# Allegro board reServer industrial J401 Carrier Board v11.brd (continued)
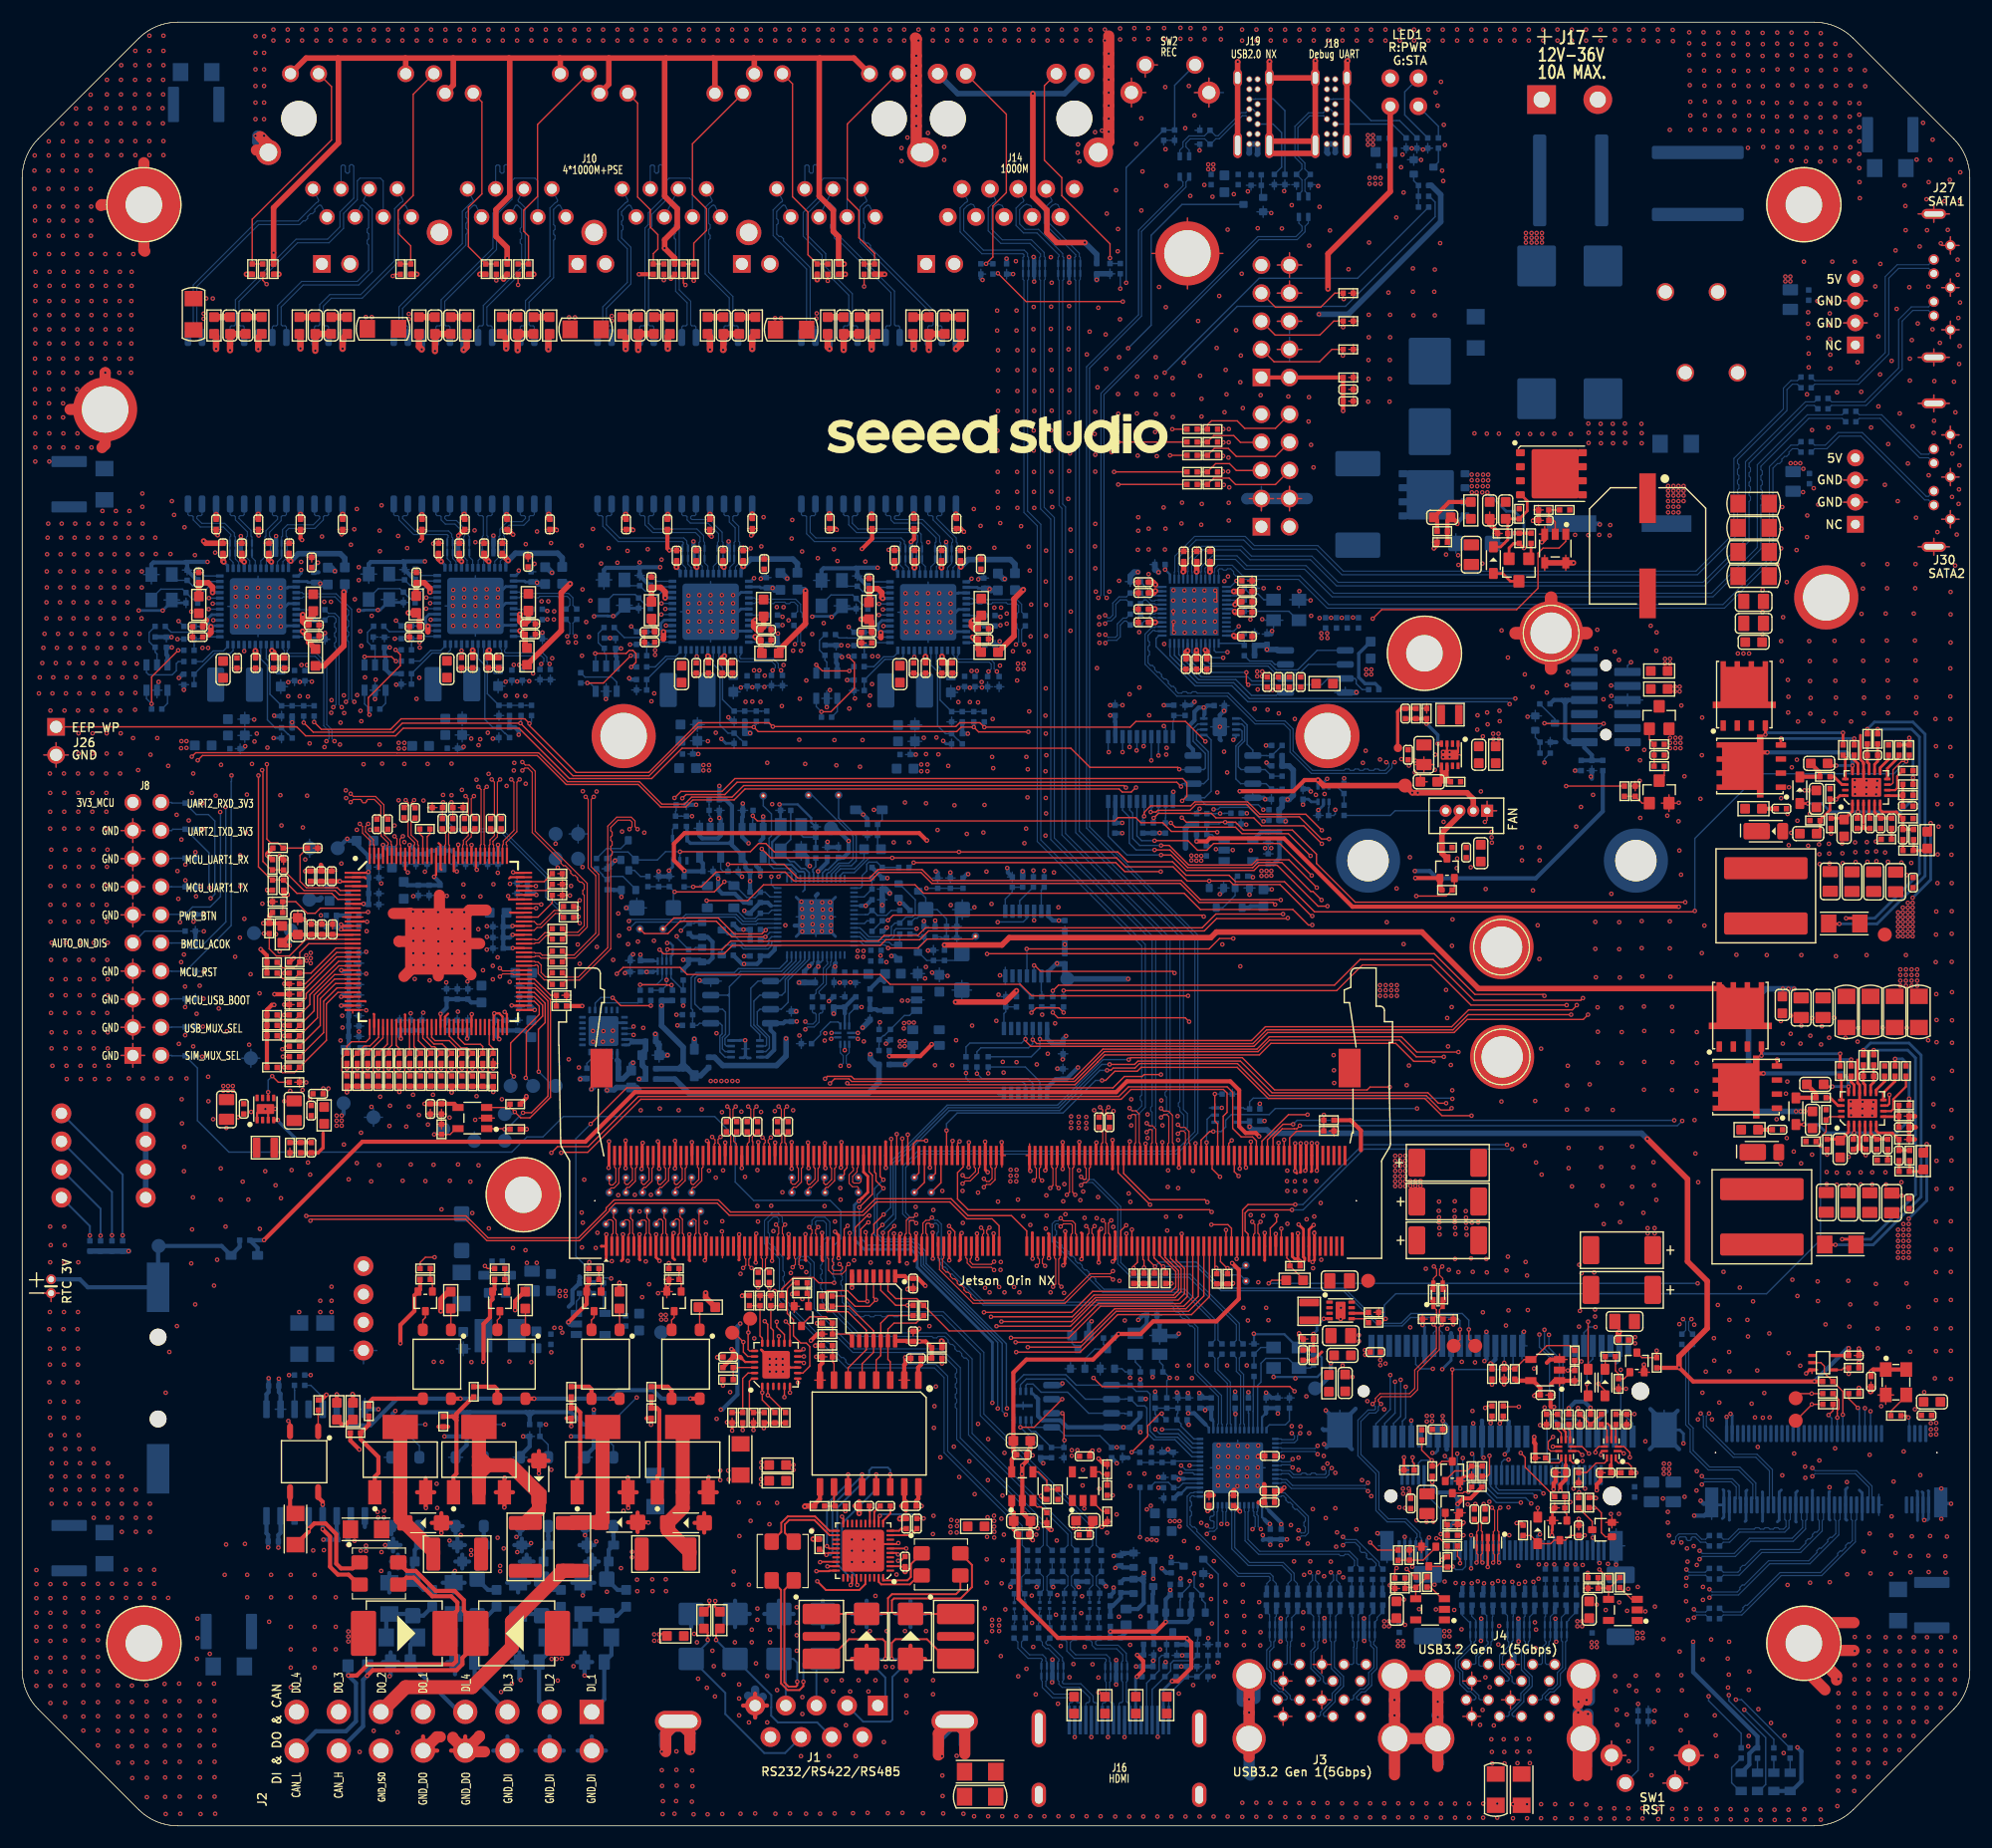
[diagram p0: board, top side]
## Routing (per net, layer and track width the routed paths; a pad name or vN(x,y) marks a point on that pad's centre or on a via; arc(x,y) is an arc through that point) (continued)
SATA_RXN1: length 72.2
  BOTTOM w0.102: C572.1 164.47,127.19 161.45,127.19 157.12,122.86 157.12,122.56 157.24,122.43 157.24,122.13 157.12,122 157.12,121.64 157.24,121.52 157.24,121.21 157.12,121.08 157.12,120.78 157.24,120.65 157.24,120.35 157.12,120.22 157.12,119.92 157.24,119.79 157.24,119.48 157.12,119.36 157.12,115.39 152.79,111.06 118.38,111.06 115.88,113.56 110.53,113.56 109.64,114.45 107.68,114.45 106.88,113.65 106.88,113.34 106.92,113.31 U76.33
SATA_RXP0: length 73
  BOTTOM w0.102: U76.26 104.12,113.31 104.16,113.34 104.16,114.74 105.95,116.53 110.52,116.53 111.35,115.7 117.08,115.7 119.39,113.39 151.25,113.39 154.68,116.82 154.68,123.57 159.15,128.04 159.15,129.93 159.83,130.6 160.42,130.6 C564.1
SATA_RXP1: length 72.3
  BOTTOM w0.102: U76.32 106.52,113.31 106.56,113.34 106.56,113.79 107.55,114.77 109.77,114.77 110.66,113.88 116.02,113.88 118.51,111.39 152.65,111.39 156.79,115.53 156.79,123 161.31,127.52 164.47,127.52 C573.1
SATA_TXN0: length 71.5
  BOTTOM w0.102: C562.1 161.95,128.69 161.14,128.69 155.72,123.27 155.72,116.22 151.89,112.38 118.91,112.38 116.54,114.75 111.08,114.75 110.2,115.64 106.57,115.64 105.36,114.42 105.36,113.34 105.32,113.31 U76.29
SATA_TXN1: length 66.5
  BOTTOM w0.102: U76.35 107.72,113.31 107.76,113.34 107.76,113.62 108.06,113.92 109.34,113.92 110.3,112.97 115.47,112.97 118.06,110.37 153.69,110.37 157.88,114.56 157.88,122.83 159.83,124.78 160.43,124.78 C571.1
SATA_TXP0: length 71.4
  BOTTOM w0.102: C561.1 161.95,128.36 161.27,128.36 156.05,123.14 156.05,122.83 156.18,122.71 156.18,122.4 156.05,122.28 156.05,121.97 156.18,121.84 156.18,121.54 156.05,121.41 156.05,121.11 156.18,120.98 156.18,120.68 156.05,120.55 156.05,120.24 156.18,120.12 156.18,119.81 156.05,119.68 156.05,116.08 152.02,112.05 118.78,112.05 116.41,114.42 110.95,114.42 110.06,115.31 106.7,115.31 105.68,114.29 105.68,113.34 105.72,113.31 U76.30
SATA_TXP1: length 66.4
  BOTTOM w0.102: C570.1 160.43,124.45 159.96,124.45 159.66,124.15 159.66,123.97 159.44,123.75 159.26,123.75 159.01,123.5 159.01,123.32 158.79,123.1 158.61,123.1 158.21,122.7 158.21,114.43 153.82,110.05 117.93,110.05 115.33,112.64 110.16,112.64 109.87,112.94 109.69,112.94 109.47,113.15 109.47,113.33 109.21,113.6 108.91,113.6 108.8,113.48 108.55,113.48 108.44,113.6 108.19,113.6 108.08,113.49 108.08,113.34 108.12,113.31 U76.36
SCAN_EN: length 4.5
  TOP w0.127: U63.72 46.29,76.53 47.77,75.05 R476.1 R475.2
SENSE+_DC1: length 2.6
  TOP w0.254: U31.13 166.89,95.97 166.74,96.12 C141.1 R198.2
SENSE+_DC2: length 2.6
  TOP w0.254: R158.2 C118.1 166.38,67.11 166.54,66.96 U25.13
SENSE-_DC1: length 2.6
  TOP w0.254: R199.2 C141.2 167.66,96.2 167.39,95.93 U31.12
SENSE-_DC2: length 2.6
  TOP w0.254: R166.2 C118.2 167.31,67.19 167.04,66.92 U25.12
SHUTDOWN_REQ*: length 142.9
  TOP w0.127: U49.1 139.49,116.08 138.88,115.47 137.43,115.47 136.97,115.01 136.97,111.84 135.04,109.91 122.85,109.91 v1(122.04,109.1) ; J9.233 112.78,54.01 113.35,54.58 v1(113.35,55.15) ; v1(113.23,83.26) 113.05,83.44 106.36,83.44 104.64,85.17 82.21,85.17 81.22,86.16 77.44,86.16 76.68,85.4 69.74,85.4 68.94,86.19 62.71,86.19 61.38,84.86 v1(60.64,84.86)
  LAY3 w0.127: v1(113.35,55.15) 113.35,60.68 112.78,61.25 112.78,82.82 v1(113.23,83.26) 113.23,84.1 113.48,84.36 113.48,88.34 111.22,90.6 111.22,97.08 122.04,107.9 v1(122.04,109.1)
  BOTTOM w0.127: D29.2 61.23,84.96 61.13,84.86 v1(60.64,84.86) R120.2
SIM_CLK: length 123.1
  TOP w0.127: v1(119.37,135.43) D93.2 118.52,135.98 117.26,134.72 113.23,134.72 J15.5 ; v1(145.69,37.21) 145.67,37.19 C227.1 R336.2
  LAY3 w0.127: v1(145.69,37.21) 146.96,37.21 148.76,39.02 148.76,46.95 138.04,57.67 138.04,100.03 132.76,105.31 132.76,108.39 123.66,117.48 123.66,125.07 120.24,128.5 120.24,134.56 v1(119.37,135.43)
SIM_DETECT: length 141
  TOP w0.127: R331.2 v1(142.05,28.75) 142.24,28.75 142.7,28.29 142.7,26.49 143.06,26.12 Q38.1
  LAY3 w0.127: J15.9 113.2,139.83 119.8,139.83 120.67,138.97 120.67,128.68 124.1,125.25 124.1,117.66 133.19,108.57 133.19,105.49 138.42,100.26 138.42,57.91 149.19,47.15 149.19,38.71 147.18,36.71 147.18,32.55 146.06,31.43 142.8,31.43 141.65,30.28 141.65,29.15 v1(142.05,28.75)
SIM_DETECT_1V8: length 2.1
  TOP w0.127: R329.2 140.64,30.11 v1(140.68,30.15)
  BOTTOM w0.127: J6.66 v1(140.68,30.15)
SIM_DIO: length 124.1
  TOP w0.127: R333.2 142.4,36.9 142.35,36.9 R332.2 141.1,36.9 141.05,36.9 C223.1 140.59,37.35 v1(140.59,37.76) ; J15.7 113.25,137.24 117.34,137.24 118.61,138.51 D92.2 119.37,138.03 v1(119.42,137.98)
  LAY3 w0.127: v1(119.42,137.98) 118.94,137.49 118.94,134.62 119.88,133.68 119.88,128.35 123.31,124.92 123.31,117.33 130.77,109.87 130.77,95.2 127.95,92.38 127.95,63.84 140.06,51.72 140.06,39.1 140.59,38.57 v1(140.59,37.76)
SIM_MUX_SEL: length 179.2
  TOP w0.127: v1(145.86,31.91) R339.1 145.4,32.5 145.11,32.78 144.25,32.78 144.01,33.03 U46.10 ; v1(96.81,40.48) 97.59,39.7 114.55,39.7 v1(114.98,39.28) ; R389.2 68.65,48.51 69.69,49.56 71.5,49.56 71.99,49.08 v1(73.37,49.08) ; v1(141,32.96) 140.61,32.96 140.43,32.79 140.13,32.79 139.88,33.03 U45.10
  LAY3 w0.127: v1(114.98,39.28) 115.01,39.24 115.01,38.78 121.13,32.66 131.98,32.66 132.55,32.08 135.32,32.08 137.91,34.67 139.22,34.67 140.92,32.96 v1(141,32.96) ; v1(73.37,49.08) 73.37,49.17 73.7,49.49 84.65,49.49 85,49.15 95.14,49.15 97.38,46.92 97.38,41.04 v1(96.81,40.48)
  LAY4 w0.127: v1(145.86,31.91) 144.81,32.96 v1(141,32.96)
  BOTTOM w0.127: J8.2 13.5,69.62 13.53,69.59 D37.2 15.84,68.48 15.84,63.73 18.69,60.89 44.24,60.89 45.61,62.26 47.06,62.26 48.9,64.1 62.58,64.1 64.44,62.24 64.44,58.18 66.1,56.52 73.02,56.52 73.97,55.57 73.97,53.06 73.3,52.38 73.3,49.62 73.41,49.51 73.41,49.11 v1(73.37,49.08)
SIM_RST: length 117.2
  TOP w0.127: v1(119.35,132.87) 119.35,133.41 D91.2 118.36,133.43 117.24,132.31 113.12,132.31 112.01,133.43 J15.3 ; v1(137.57,37.81) 137.57,37.37 C219.1 R324.2
  LAY3 w0.127: v1(137.57,37.81) 137.57,41.24 138.5,42.17 138.5,51.14 126.62,63.03 126.62,92.44 129.79,95.61 129.79,109.09 122.06,116.82 122.06,124.08 118.56,127.59 118.56,132.08 v1(119.35,132.87)
SLEW: length 102.5
  TOP w0.178: U42.30 72.97,23.06 72.92,23.01 v1(71.77,23.01)
  LAY3 w0.178: v1(71.77,23.01) 67.17,23.01 63.39,26.8 54.3,26.8 52.93,28.17 37.2,28.17 36.14,27.1 32.2,27.1 30.7,28.6 16.1,28.6 8.7,35.99 8.7,52.99 v1(9.08,53.37)
  BOTTOM w0.178: R394.2 v1(9.08,53.37) 9.08,58.86 SW3.4
SLOT_IMP1: length 5.6
  TOP w0.127: R491.2 37.4,68.24 37.4,69.37 R492.1 37.28,70.4 37,70.4 36.21,71.19 U63.45
SLOT_IMP2: length 6.2
  TOP w0.127: R493.2 38.34,68.24 38.34,69.36 R494.1 37.96,70.66 37.21,70.66 36.61,71.26 U63.46
SLOT_IMP3: length 6.7
  TOP w0.127: R495.2 39.28,68.24 39.28,69.36 R496.1 38.6,70.96 37.3,70.96 37.01,71.26 U63.47
SLOTCLK: length 6.4
  TOP w0.127: R489.2 28.9,68.22 28.9,69.38 R490.1 29.34,70.44 29.76,70.86 31.08,70.86 31.41,71.19 U63.33
SPI0_CS0: length 34.8
  TOP w0.127: J9.95 76.28,53.58 v1(76.22,53.65) ; v1(91.2,73.48) 91.64,73.92 93.69,73.92 v1(94.11,73.5)
  LAY3 w0.127: v1(91.2,73.48) 90.71,73.48 85.87,68.64 85.87,67.95 85.46,67.54 81.09,67.54 76.12,62.56 76.12,55.7 75.81,55.4 75.81,54 76.17,53.65 v1(76.22,53.65)
  BOTTOM w0.127: R403.1 v1(94.11,73.5) ; v1(91.2,73.48) 91.2,74 R436.1
SPI0_CS0_LS: length 93.5
  TOP w0.127: v1(139.56,74.17) 130.92,74.17 127.3,77.79 121.1,77.79 118.79,75.48 v1(94.11,75.48)
  LAY3 w0.127: v1(139.56,103.08) 139.56,102.14 139.87,101.83 139.87,94.36 140,94.24 140,93.63 139.44,93.07 139.44,74.3 v1(139.56,74.17)
  LAY4 w0.127: v1(91.38,86.34) 91.38,86.34 92.17,85.55 92.17,75.64 92.8,75.01 93.64,75.01 v1(94.11,75.48)
  BOTTOM w0.127: J11.9 141.1,103.08 v1(139.56,103.08) ; R403.2 v1(94.11,75.48) ; v1(91.38,86.34) R439.2
SPI0_IRQ_GPIO07: length 27.1
  TOP w0.127: v1(93.13,73.51) 93.13,73.49 93.59,73.03 105.1,73.03 v1(105.45,72.67) ; J9.206 v1(106.03,61.68)
  LAY3 w0.127: v1(105.45,72.67) 104.77,71.99 104.77,65.8 106.03,64.55 v1(106.03,61.68)
  BOTTOM w0.127: R431.1 R200.1 v1(93.13,73.51)
SPI0_IRQ_LS: length 88.2
  TOP w0.127: v1(93.13,75.46) 93.64,75.97 118.58,75.97 120.9,78.29 127.5,78.29 131.18,74.6 140.83,74.6 v1(141.04,74.81)
  LAY3 w0.127: v1(141.04,74.81) 140.54,75.3 140.54,88.19 145.05,92.7 v1(145.05,97.31)
  LAY4 w0.127: v1(92.35,86.32) 92.55,86.12 92.55,76.08 93.13,75.49 v1(93.13,75.46)
  BOTTOM w0.127: v1(145.05,97.31) 145.05,97.92 J11.2 ; R200.2 v1(93.13,75.46) ; R202.2 v1(92.35,86.32)
SPI0_MISO: length 29.7
  TOP w0.127: J9.93 75.78,53.91 76.41,54.54 v1(76.47,54.54)
  LAY3 w0.127: v1(76.47,54.54) 76.15,54.85 76.15,55.39 76.42,55.65 76.42,62.49 81.12,67.19 85.49,67.19 v1(86.28,67.98)
  BOTTOM w0.127: R401.1 v1(86.28,67.98) 86.74,67.52 90.9,67.52 91.32,67.1 U57.3
SPI0_MISO_LS: length 90.5
  TOP w0.127: v1(91.32,71.05) 91.67,70.69 111.21,70.69 112.45,71.94 129.29,71.94 130.66,73.31 v1(139.97,73.31)
  LAY3 w0.127: v1(139.97,73.31) 140,73.33 140,74.48 139.79,74.68 139.79,92.84 140.83,93.88 140.83,103.15 v1(139.71,104.28)
  BOTTOM w0.127: J11.11 v1(139.71,104.28) ; R401.2 86.28,69.96 86.63,70.31 90.94,70.31 91.32,70.69 v1(91.32,71.05) U57.12
SPI0_MOSI: length 29.8
  TOP w0.127: J9.89 v1(74.78,53.57)
  LAY3 w0.127: v1(74.78,53.57) 75,53.79 75,61.85 81.17,68.02 v1(85.29,68.02)
  BOTTOM w0.127: R402.1 v1(85.29,68.02) 85.29,67.56 85.61,67.24 90.42,67.24 90.67,66.99 U57.4
SPI0_MOSI_LS: length 95.1
  TOP w0.127: v1(90.67,71.1) 90.67,70.94 91.16,70.45 111.31,70.45 112.55,71.69 129.39,71.69 130.58,72.88 141.06,72.88 v1(141.5,73.31)
  LAY3 w0.127: v1(145.38,105.16) 145.61,104.93 145.61,92.76 140.89,88.05 140.89,75.69 141.5,75.08 v1(141.5,73.31)
  BOTTOM w0.127: v1(145.38,105.16) 145.06,104.84 J11.12 ; U57.11 v1(90.67,71.1) 90.31,70.74 85.64,70.74 85.29,70.39 R402.2
SPI0_RST_3V3: length 133.2
  TOP w0.127: U51.7 70.08,40.08 v1(70.1,40.06) ; v1(87.19,78.79) 87.22,78.82 127.6,78.82 131.28,75.14 137.43,75.14 v1(137.56,75.01)
  LAY3 w0.127: v1(137.56,96.09) v1(137.56,75.01) ; v1(70.1,40.06) 70.1,41.78 70.01,41.86 70.01,42.35 69.49,42.88 65.04,42.88 64.13,43.79 64.13,50.74 67.13,53.74 67.13,54.53 68.66,56.06 69.41,56.06 70.15,56.8 70.15,62.01 73.41,65.27 73.41,67.04 73.93,67.57 75.46,67.57 77.9,70 84.8,70 86.63,71.83 86.63,78.23 v1(87.19,78.79)
  BOTTOM w0.127: v1(137.56,96.09) 137.56,96.41 R434.1
SPI0_RST_LS: length 10.5
  TOP w0.127: v1(142.91,99.61) 137.59,99.61 v1(137.56,99.64)
  BOTTOM w0.127: J11.3 142.5,99.2 v1(142.91,99.61) ; R438.2 138.51,100.02 Q32.3 v1(137.56,99.64)
SPI0_SCK: length 30.5
  TOP w0.127: J9.91 75.28,54.07 76.36,55.15 76.54,55.15 v1(76.55,55.15)
  LAY3 w0.127: v1(87.29,68) 86.05,66.75 81.02,66.75 76.7,62.44 76.7,55.35 76.55,55.2 v1(76.55,55.15)
  BOTTOM w0.127: v1(87.29,68) R400.1 90.65,68.57 91.97,67.26 U57.2
SPI0_SCK_LS: length 89.3
  TOP w0.127: v1(91.97,71.1) 91.97,71.1 92.09,70.97 111.09,70.97 112.34,72.21 129.18,72.21 130.7,73.74 140.07,73.74 140.48,74.15 v1(140.48,74.17)
  LAY3 w0.127: v1(140.48,74.17) 140.48,74.7 140.17,75.01 140.17,88.34 144.42,92.59 144.42,102.29 143.65,103.05 v1(143.58,103.05)
  BOTTOM w0.127: v1(143.58,103.05) 143.62,103.01 J11.10 ; R400.2 91.18,69.5 91.97,70.29 v1(91.97,71.1) U57.13
SPI1_CS0: length 54.1
  TOP w0.127: J9.110 v1(80.03,62.46)
  LAY3 w0.127: v1(100.7,97.18) 99.79,96.27 97.65,96.27 96.51,95.13 96.51,68.2 92.81,64.5 81.87,64.5 80.03,62.67 v1(80.03,62.46)
  BOTTOM w0.127: U18.5 100.74,97.22 v1(100.7,97.18)
SPI1_CS0_3V3: length 75.1
  TOP w0.127: v1(102.33,89.03) 105.35,89.03 106.21,88.17 107.05,88.17 107.66,88.78 113.63,88.78 v1(116.53,85.88)
  LAY3 w0.127: v1(116.53,85.88) 116.53,83.01 117.47,82.07 117.47,73.49 120.92,70.04 120.92,58.55 123.63,55.85 v1(123.63,40.74)
  BOTTOM w0.127: v1(102.33,89.03) 101.16,89.03 100.74,89.46 U18.16 ; v1(123.63,40.74) 123.63,37.63 122.32,36.33 J5.51
SPI1_MISO: length 53.5
  TOP w0.127: J9.108 v1(79.53,62.11)
  LAY3 w0.127: v1(99.44,97.03) 98.98,96.57 97.27,96.57 96.18,95.48 96.18,68.37 92.67,64.86 81.72,64.86 79.53,62.68 v1(79.53,62.11)
  BOTTOM w0.127: U18.3 v1(99.44,97.03)
SPI1_MISO_3V3: length 75.6
  TOP w0.127: v1(102.33,88.19) 103.73,88.19 105.33,86.59 111.2,86.59 111.67,87.06 113.82,87.06 116.45,84.43 116.65,84.43 v1(117.42,83.67)
  LAY3 w0.127: v1(124.57,40.31) 124.57,56.09 121.86,58.79 121.86,70.43 118.41,73.88 118.41,82.1 117.49,83.01 117.49,83.59 v1(117.42,83.67)
  BOTTOM w0.127: U18.18 99.44,91.79 100.05,91.18 100.05,88.8 100.65,88.19 v1(102.33,88.19) ; J5.47 123.92,36.37 124.57,37.01 v1(124.57,40.31)
SPI1_MOSI: length 55.3
  TOP w0.127: J9.104 v1(78.53,62.08)
  LAY3 w0.127: v1(78.53,62.08) 78.53,62.62 81.44,65.53 92.59,65.53 95.01,67.95 95.01,95.76 96.74,97.49 v1(100.07,97.49)
  BOTTOM w0.127: v1(100.07,97.49) 100.09,97.51 U18.4
SPI1_MOSI_3V3: length 75.3
  TOP w0.127: v1(102.91,88.6) 103.65,88.6 105.41,86.83 111.1,86.83 111.57,87.3 114.47,87.3 v1(116.98,84.79)
  LAY3 w0.127: v1(116.98,84.79) 116.93,84.74 116.93,83.06 117.9,82.1 117.9,73.67 121.35,70.22 121.35,58.73 124.06,56.03 v1(124.06,40.13)
  BOTTOM w0.127: v1(124.06,40.13) 124.06,37.3 123.12,36.37 J5.49 ; U18.17 100.09,91.79 100.35,91.52 100.35,89.23 100.99,88.6 v1(102.91,88.6)
SPI1_SCK: length 53
  TOP w0.127: v1(79.03,62.51) J9.106
  LAY3 w0.127: v1(79.03,62.51) 79.03,62.68 81.57,65.22 92.66,65.22 95.82,68.38 95.82,95.88 96.97,97.03 v1(98.19,97.03)
  BOTTOM w0.127: v1(98.19,97.03) 98.14,97.08 U18.1
SPI1_SCK_3V3: length 76.9
  TOP w0.127: v1(102.91,87.73) 103.8,87.73 105.2,86.34 111.31,86.34 111.78,86.81 113.42,86.81 117.11,83.11 v1(117.95,83.11)
  LAY3 w0.127: v1(117.95,83.11) 118.86,82.2 118.86,74.07 122.32,70.62 122.32,58.85 125.02,56.15 v1(125.02,39.68)
  BOTTOM w0.127: v1(125.02,39.68) 125.02,36.87 124.72,36.57 J5.45 ; U18.20 98.14,89.44 99.84,87.73 v1(102.91,87.73)
SS_DC1: length 1.4
  TOP w0.254: U31.4 166.89,91.14 C127.1
SS_DC2: length 1.4
  TOP w0.254: U25.4 166.54,62.13 C116.1
SUSCLK_32KHZ: length 4.2
  TOP w0.127: J9.210 v1(107.03,61.76)
  BOTTOM w0.127: U33.2 107.46,64.24 107.08,63.86 107.08,62.54 107.03,62.49 v1(107.03,61.76)
SW_DC1: length 14.4
  TOP w0.254: C142.2 163.35,95.81 v1(163.92,95.81) ; U31.16 v1(165.39,95.82)
  TOP w0.381: Q43.5 156.46,97.01 v1(157.7,97.01)
  BOTTOM w0.254: v1(163.92,95.81) 163.93,95.82 v1(165.39,95.82)
  BOTTOM w0.381: v1(157.7,97.01) 164.84,97.01 165.39,96.45 v1(165.39,95.82)
SW_DC2: length 14.4
  TOP w0.254: v1(163.57,66.8) 163,66.8 C95.2 ; U25.16 v1(165.04,66.81)
  TOP w0.381: Q12.5 156.11,68 v1(157.34,68)
  BOTTOM w0.254: v1(165.04,66.81) 163.57,66.81 v1(163.57,66.8)
  BOTTOM w0.381: v1(157.34,68) 164.48,68 165.04,67.44 v1(165.04,66.81)
SWCLK: length 11
  BOTTOM w0.127: TP2.1 71.38,93.14 75.09,89.43 75.09,87.37 74.71,86.99 73.79,86.99 72.95,86.16 72.85,86.16 72.72,86.02 U23.24
SWDIO: length 9.7
  BOTTOM w0.127: U23.25 73.12,86 73.89,86.77 74.94,86.77 75.37,87.2 75.37,89.48 73.77,91.08 TP1.1
SYNCO_DC1: length 1.8
  TOP w0.254: U31.11 167.89,95.61 168.65,96.37 R197.1
SYNCO_DC2: length 1.8
  TOP w0.254: R171.1 168.29,67.26 167.54,66.51 U25.11
SYS_RESET: length 3.7
  TOP w0.127: FB5.1 115.75,49.41 D45.2 114.56,51.04 114.28,51.32 J9.239
SYS_RST*: length 184.3
  TOP w0.127: v1(66.02,91.27) 66.02,91.23 66.43,90.82 98.73,90.82 99.03,91.11 100.63,91.11 101.08,90.66 103.07,90.66 103.85,89.87 107.92,89.87 v1(107.99,89.79) ; FB5.2 112.92,49.31 v1(112.64,49.02)
  LAY3 w0.127: v1(146.02,11.02) 152.44,11.02 153.38,11.97 153.38,31.24 150.87,33.76 150.87,41.53 151.59,42.26 151.59,48.83 v1(151.4,49.02) ; v1(112.64,49.02) 112.64,49.43 108.34,53.73 108.34,56.91 107.39,57.85 107.39,60.36 108.44,61.41 108.44,62.93 109.05,63.54 109.05,66.12 108.63,66.55 108.63,76.81 106.29,79.15 106.29,85.63 107.43,86.77 107.43,89.23 v1(107.99,89.79)
  BOTTOM w0.127: SW1.1 146.02,5.01 D1.2 C1.1 v1(146.02,11.02) ; v1(112.64,49.02) v1(151.4,49.02) ; R92.1 66.05,91.3 v1(66.02,91.27) 66.02,90.88 66.01,90.87 U20.2
TCK: length 7.6
  TOP w0.127: U63.89 46.84,83.33 v1(46.91,83.26)
  LAY3 w0.127: v1(46.91,83.26) 50.28,86.64 v1(50.64,86.64)
  BOTTOM w0.127: v1(50.64,86.64) 50.24,87.04 TP64.1
TDI: length 6.5
  TOP w0.127: U63.93 v1(46.42,84.93)
  LAY3 w0.127: v1(46.42,84.93) 47.92,86.42 47.92,88.47 v1(48.21,88.75)
  BOTTOM w0.127: TP66.1 v1(48.21,88.75)
TDO: length 6.5
  TOP w0.127: U63.88 v1(46.45,82.93)
  LAY3 w0.127: v1(48.4,86.59) 48.4,85.32 46.45,83.37 v1(46.45,82.93)
  BOTTOM w0.127: v1(48.4,86.59) 48.21,86.79 TP65.1
TEST1: length 7.9
  TOP w0.127: U63.9 26.94,82.93 26.48,82.47 25.77,82.47 24.72,83.52 R488.1 R487.2
TEST3: length 8.4
  TOP w0.127: U63.17 25.89,79.73 25.08,78.92 R464.1 24.58,77.54 23.54,77.54 R463.2
TEST4: length 9.6
  TOP w0.127: R467.2 23.49,72.83 24.52,72.83 24.62,72.83 R468.1 26,74.21 26,75.1 28.62,77.73 U63.22
TEST5: length 10.5
  TOP w0.127: U63.25 28.24,76.53 26.68,74.98 26.68,73.02 R472.1 24.6,70.94 24.42,70.94 24.32,70.94 23.52,70.94 R471.2
TEST6: length 6
  TOP w0.127: R477.2 40.22,68.23 40.22,69.36 R478.1 40.2,70.3 39.66,70.3 38.61,71.36 U63.51
TG1: length 2.2
  TOP w0.254: U31.17 164.74,96.55 R193.1
TG2: length 2.2
  TOP w0.254: U25.17 164.39,67.62 R146.1
TG_DC1: length 9
  TOP w0.254: R193.2 164.54,98.78 v1(164.53,98.78) ; Q45.4 v1(157.52,98.61)
  BOTTOM w0.254: v1(164.53,98.78) 157.7,98.78 v1(157.52,98.61)
TG_DC2: length 9.1
  TOP w0.254: v1(164.28,69.78) 164.28,68.69 R146.2 ; Q16.4 v1(157.17,69.6)
  BOTTOM w0.254: v1(157.17,69.6) 157.34,69.78 v1(164.28,69.78)
TMS: length 2.8
  TOP w0.127: U63.92 47.34,84.53 R501.1
TRST_L: length 2.9
  TOP w0.127: U63.94 47.17,85.33 R502.1
TXRXA_N: length 8.9
  BOTTOM w0.102: U38.3 19.57,114.19 19.27,114.49 U32.4 U32.7 19.27,116.47 19.18,116.56 19.18,116.84 18.31,117.71 16.23,117.71 15.79,118.15 15.79,118.3 15.89,118.4 16.16,118.4 16.26,118.5 T1.11
TXRXA_N_31551790: length 9.9
  BOTTOM w0.102: T2.11 34.85,118.5 34.75,118.4 34.48,118.4 34.38,118.3 34.38,118.15 35.51,117.02 38.53,117.02 38.82,116.73 38.82,116.48 38.91,116.39 U66.7 U66.4 38.91,114.53 39.21,114.24 U30.3
TXRXA_N_31557157: length 13.2
  BOTTOM w0.102: T3.11 53.27,118.5 53.16,118.4 52.9,118.4 52.79,118.3 52.79,117.58 53.99,116.39 59.79,116.39 60.06,116.11 60.06,115.85 60.16,115.75 U56.7 U56.4 60.16,114.01 60.46,113.71 U48.3
TXRXA_N_31559787: length 14.9
  BOTTOM w0.102: T4.11 71.68,118.5 71.58,118.4 71.31,118.4 71.21,118.3 71.21,116.9 71.72,116.39 79.43,116.39 79.72,116.09 79.72,115.85 79.82,115.75 U73.7 U73.4 79.82,113.96 80.12,113.67 U71.3
TXRXA_P: length 8.9
  BOTTOM w0.102: U38.2 19.07,114.18 18.77,114.48 U32.5 U32.6 18.77,116.47 18.86,116.56 18.86,116.7 18.18,117.38 16.1,117.38 15.46,118.02 15.46,118.3 15.36,118.4 15.09,118.4 14.99,118.5 T1.12
TXRXA_P_31551789: length 9.9
  BOTTOM w0.102: U30.2 38.71,114.22 38.41,114.52 U66.5 U66.6 38.41,116.36 38.5,116.45 38.5,116.59 38.4,116.7 35.38,116.7 34.05,118.02 34.05,118.3 33.95,118.4 33.68,118.4 33.58,118.5 T2.12
TXRXA_P_31557156: length 13.2
  BOTTOM w0.102: T3.12 52,118.5 52.1,118.4 52.37,118.4 52.47,118.3 52.47,117.45 53.86,116.06 59.66,116.06 59.74,115.98 59.74,115.84 59.67,115.77 U56.6 U56.5 59.67,113.99 59.96,113.7 U48.2
TXRXA_P_31559786: length 14.9
  BOTTOM w0.102: U71.2 79.62,113.65 79.32,113.95 U73.5 U73.6 79.32,115.78 79.4,115.85 79.4,115.96 79.3,116.06 71.59,116.06 70.88,116.76 70.88,118.3 70.78,118.4 70.51,118.4 70.41,118.5 T4.12
TXRXB_N: length 6.8
  BOTTOM w0.102: U38.6 21.07,114.33 20.77,114.63 U32.1 U32.10 20.77,116.47 20.68,116.56 20.68,117.07 19.6,118.15 19.6,118.3 19.7,118.4 19.97,118.4 20.07,118.5 T1.8
TXRXB_N_31551792: length 7.7
  BOTTOM w0.102: T2.8 38.66,118.5 38.56,118.4 38.29,118.4 38.19,118.3 38.19,118.15 38.38,117.96 39.25,117.96 40.32,116.88 40.32,116.6 40.41,116.51 U66.10 U66.1 40.41,114.67 40.71,114.37 U30.6
TXRXB_N_31557159: length 11.1
  BOTTOM w0.102: T3.8 57.08,118.5 56.97,118.4 56.71,118.4 56.6,118.3 56.6,117.71 57.12,117.2 60.98,117.2 61.58,116.6 61.58,116.07 61.67,115.99 U56.10 U56.1 61.67,114.15 61.96,113.85 U48.6
TXRXB_N_31559789: length 12.5
  BOTTOM w0.102: T4.8 75.49,118.5 75.39,118.4 75.12,118.4 75.02,118.3 75.02,117.71 75.53,117.2 80.77,117.2 81.24,116.73 81.24,116.03 81.32,115.94 U73.10 U73.1 81.32,114.1 81.62,113.8 U71.6
TXRXB_P: length 6.8
  BOTTOM w0.102: T1.9 18.8,118.5 18.9,118.4 19.17,118.4 19.27,118.3 19.27,118.02 20.36,116.93 20.36,116.56 20.27,116.47 U32.9 U32.2 20.27,114.62 20.57,114.32 U38.5
TXRXB_P_31551791: length 7.7
  BOTTOM w0.102: U30.5 40.21,114.37 39.91,114.66 U66.2 U66.9 39.91,116.51 40,116.6 40,116.75 39.11,117.64 38.25,117.64 37.86,118.02 37.86,118.3 37.76,118.4 37.49,118.4 37.39,118.5 T2.9
TXRXB_P_31557158: length 11.1
  BOTTOM w0.102: U48.5 61.46,113.84 61.17,114.14 U56.2 U56.9 61.17,115.99 61.25,116.07 61.25,116.47 60.85,116.87 56.98,116.87 56.28,117.58 56.28,118.3 56.18,118.4 55.91,118.4 55.81,118.5 T3.9
TXRXB_P_31559788: length 12.5
  BOTTOM w0.102: U71.5 81.12,113.8 80.82,114.09 U73.2 U73.9 80.82,115.94 80.91,116.03 80.91,116.59 80.63,116.87 75.4,116.87 74.69,117.58 74.69,118.3 74.59,118.4 74.32,118.4 74.22,118.5 T4.9
TXRXC_N: length 6.8
  BOTTOM w0.102: T1.5 23.88,118.5 23.78,118.4 23.51,118.4 23.41,118.3 23.41,117.95 22.36,116.9 22.36,116.56 22.44,116.47 U59.7 U59.4 22.44,114.71 22.07,114.33 U38.8
TXRXC_N_31551794: length 6.3
  BOTTOM w0.102: T2.5 42.47,118.5 42.37,118.4 42.1,118.4 42,118.3 42,116.6 42.09,116.51 U67.7 U67.4 42.09,114.75 41.71,114.37 U30.8
TXRXC_N_31557161: length 8.9
  BOTTOM w0.102: T3.5 60.89,118.5 60.78,118.4 60.52,118.4 60.41,118.3 60.41,118.15 60.52,118.05 62.11,118.05 63.25,116.91 63.25,116.07 63.34,115.99 U70.7 U70.4 63.34,114.22 62.96,113.85 U48.8
TXRXC_N_31559791: length 10
  BOTTOM w0.102: T4.5 79.3,118.5 79.2,118.4 78.93,118.4 78.83,118.3 78.83,118.15 78.93,118.05 81.38,118.05 82.91,116.53 82.91,116.03 83,115.94 U74.7 U74.4 83,114.18 82.62,113.8 U71.8
TXRXC_P: length 6.8
  BOTTOM w0.102: T1.6 22.61,118.5 22.71,118.4 22.98,118.4 23.08,118.3 23.08,118.09 22.03,117.04 22.03,116.56 21.94,116.47 U59.6 U59.5 21.94,114.69 21.57,114.31 U38.7
TXRXC_P_31551793: length 6.3
  BOTTOM w0.102: U30.7 41.21,114.35 41.59,114.73 U67.5 U67.6 41.59,116.51 41.67,116.6 41.67,118.3 41.57,118.4 41.3,118.4 41.2,118.5 T2.6
TXRXC_P_31557160: length 8.9
  BOTTOM w0.102: U48.7 62.46,113.83 62.84,114.21 U70.5 U70.6 62.84,115.99 62.93,116.07 62.93,116.77 61.97,117.73 60.38,117.73 60.09,118.02 60.09,118.3 59.99,118.4 59.72,118.4 59.62,118.5 T3.6
TXRXC_P_31559790: length 10
  BOTTOM w0.102: U71.7 82.12,113.78 82.5,114.16 U74.5 U74.6 82.5,115.94 82.58,116.03 82.58,116.39 81.25,117.73 78.8,117.73 78.5,118.02 78.5,118.3 78.4,118.4 78.13,118.4 78.03,118.5 T4.6
TXRXD_N: length 9.1
  BOTTOM w0.102: U38.11 23.57,114.25 23.94,114.63 U59.1 U59.10 23.94,116.47 23.86,116.56 23.86,117.01 24.1,117.25 26.45,117.25 27.22,118.02 27.22,118.3 27.32,118.4 27.59,118.4 27.69,118.5 T1.2
TXRXD_N_31551796: length 8
  BOTTOM w0.102: U30.11 43.21,114.3 43.59,114.67 U67.1 U67.10 43.59,116.51 43.5,116.6 43.5,117.04 43.99,117.53 45.32,117.53 45.81,118.02 45.81,118.3 45.91,118.4 46.18,118.4 46.28,118.5 T2.2
TXRXD_N_31557163: length 7
  BOTTOM w0.102: U48.11 64.46,113.77 64.84,114.15 U70.1 U70.10 64.84,115.99 64.75,116.07 64.75,117.44 64.22,117.96 64.22,118.3 64.33,118.4 64.59,118.4 64.7,118.5 T3.2
TXRXD_N_31559793: length 7.6
  BOTTOM w0.102: T4.2 83.11,118.5 83.01,118.4 82.74,118.4 82.64,118.3 82.64,118.15 84.41,116.38 84.41,116.03 84.5,115.94 U74.10 U74.1 84.5,114.1 84.12,113.73 U71.11
TXRXD_P: length 9.1
  BOTTOM w0.102: T1.3 26.42,118.5 26.52,118.4 26.79,118.4 26.89,118.3 26.89,118.15 26.32,117.58 23.97,117.58 23.53,117.14 23.53,116.56 23.44,116.47 U59.9 U59.2 23.44,114.61 23.07,114.24 U38.10
TXRXD_P_31551795: length 8
  BOTTOM w0.102: U30.10 42.71,114.28 43.09,114.66 U67.2 U67.9 43.09,116.51 43.17,116.6 43.17,117.18 43.85,117.86 45.19,117.86 45.48,118.15 45.48,118.3 45.38,118.4 45.11,118.4 45.01,118.5 T2.3
TXRXD_P_31557162: length 7
  BOTTOM w0.102: T3.3 63.43,118.5 63.53,118.4 63.8,118.4 63.9,118.3 63.9,117.83 64.43,117.3 64.43,116.07 64.34,115.99 U70.9 U70.2 64.34,114.13 63.96,113.75 U48.10
TXRXD_P_31559792: length 7.6
  BOTTOM w0.102: T4.3 81.84,118.5 81.94,118.4 82.21,118.4 82.31,118.3 82.31,118.02 84.08,116.25 84.08,116.03 84,115.94 U74.9 U74.2 84,114.09 83.62,113.71 U71.10
TYPE C_UART_5V: length 37.4
  LAY4 w0.508: 117.52,153.29 117.91,152.9 J18.A9 J18.B4 118.69,152.89 119.03,153.23 ; 117.46,156.52 117.88,156.94 J18.A4 J18.B9 118.67,156.94 119.07,156.54 ; v1(55.2,68.96) 55.23,68.96 55.68,68.51 72.05,68.51 72.95,69.42 75.61,69.42 76.25,68.78 79.78,68.78 v1(79.8,68.8)
  BOTTOM w0.254: U54.7 53.78,69.18
  BOTTOM w0.508: v1(55.2,68.96) 55.04,68.8 C137.1 54.29,67.51 C302.1 53.88,68.44 R423.1 53.88,69.08 53.78,69.18 ; D41.1 80.48,69.49 v1(79.8,68.8) R284.2
  vias: v1(79.32,70.89) v1(79.32,70.44) v1(79.75,70.92) v1(79.75,70.46) v1(89.98,105.03) v1(89.98,104.55) v1(90.49,105.03) v1(90.49,104.55) v1(121.61,152.78) v1(121.61,152.35) v1(121.61,151.92) v1(121.76,148.92) v1(121.76,148.39) v1(122.06,152.78) v1(122.06,152.35) v1(122.06,151.92) v1(122.27,148.92) v1(122.27,148.39) v1(122.75,148.92) v1(122.75,148.39)